# KiCad board ddr5-testboard.kicad_pcb (continued)
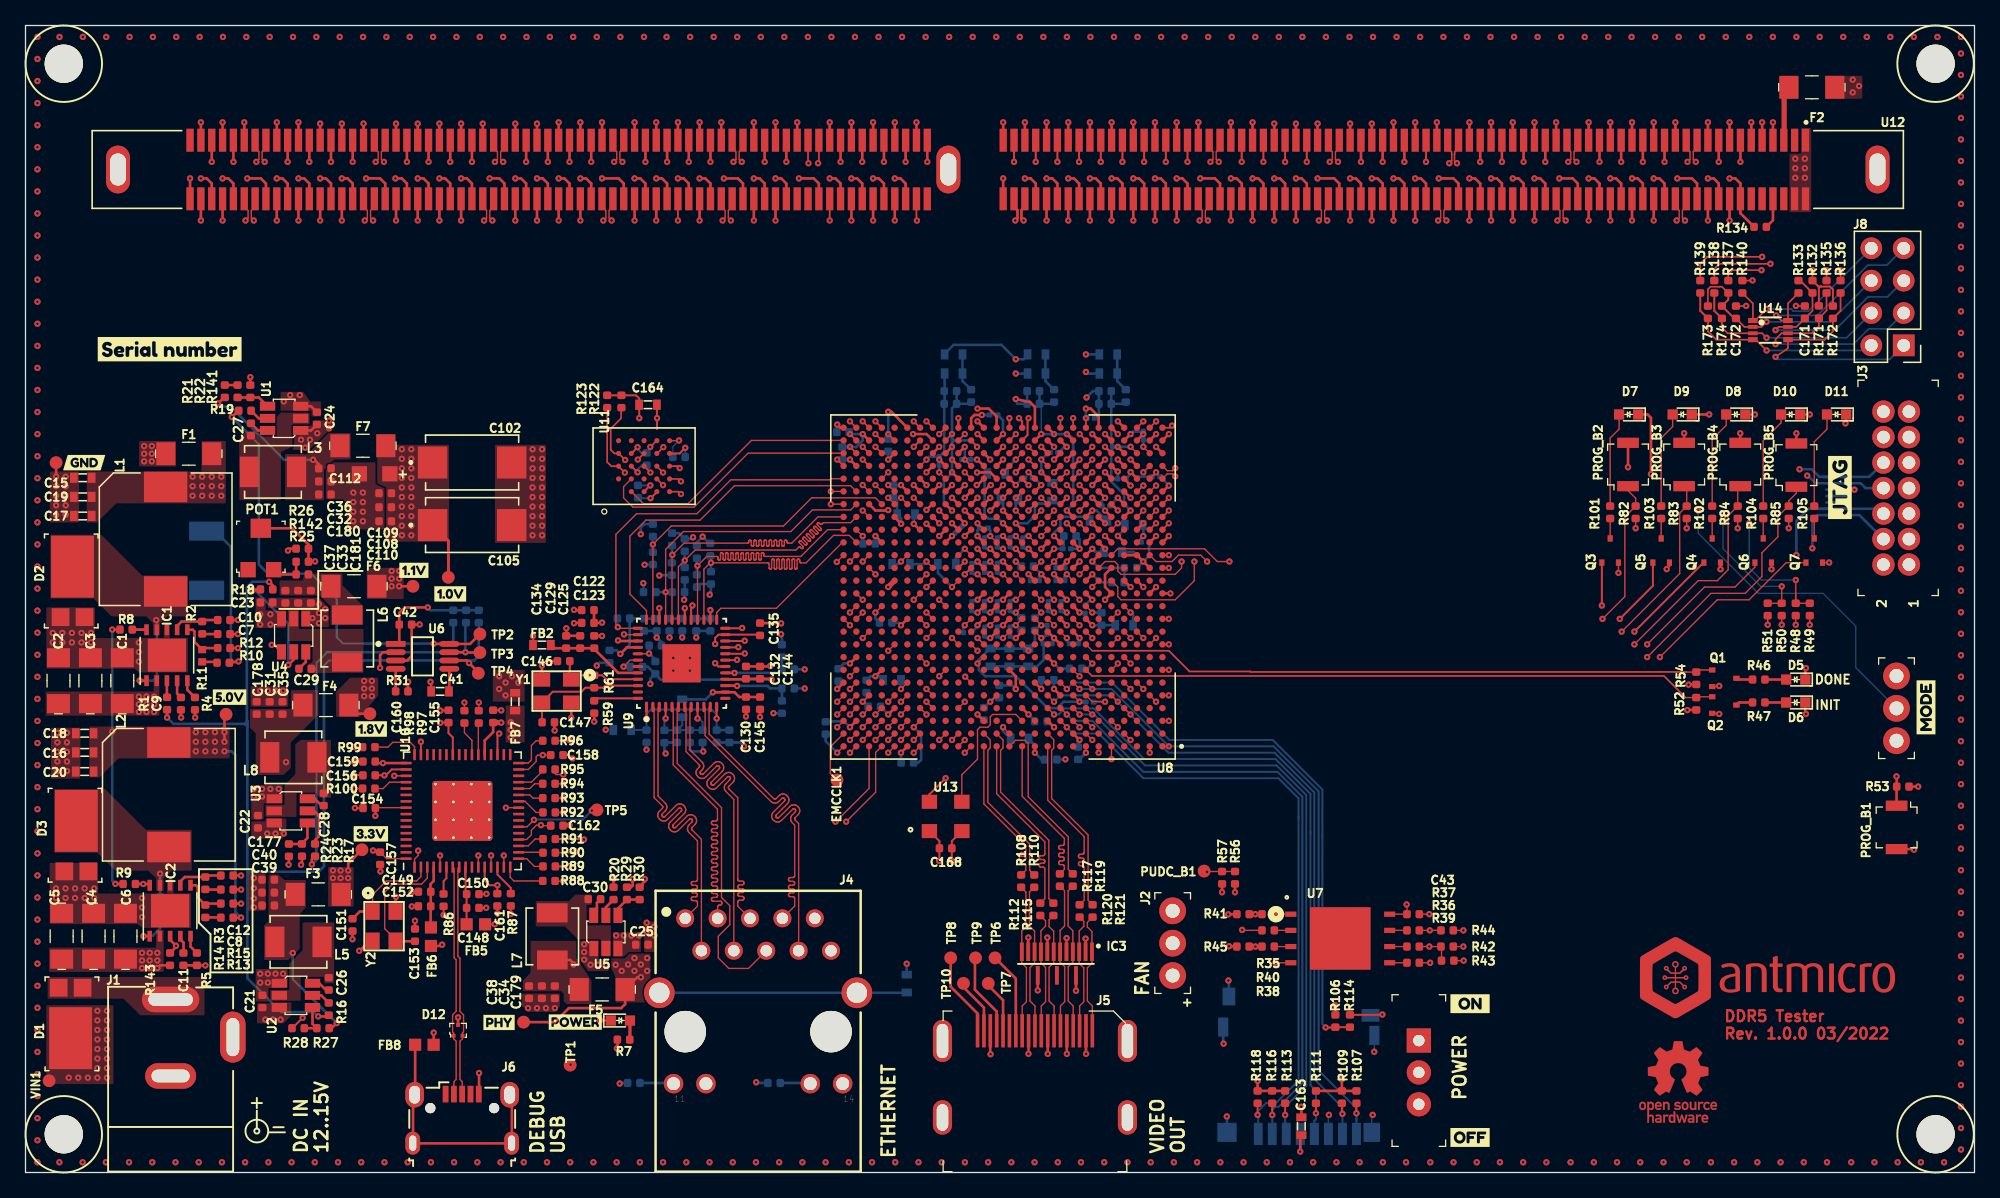
[diagram p0: board, top side]
## Routing (per net, layer and track width the routed paths; a pad name or vN(x,y) marks a point on that pad's centre or on a via; arc(x,y) is an arc through that point) (continued)
DQ11_A: length 72.7
  Top w0.127: U8.Y1 v3(89.64,52.94)
  Top w0.2: U12.165 v3(122.55,74.7)
  In5.Cu w0.127: v3(89.64,52.94) 90.14,52.94 91.39,54.19 113.69,54.19 122.55,63.05 122.55,64.47 122.55,64.5 122.56,64.52 122.58,64.55 122.6,64.57 122.62,64.58 122.65,64.59 122.68,64.59 122.82,64.59 122.84,64.6 122.87,64.61 122.89,64.62 122.91,64.64 122.93,64.67 122.94,64.69 122.94,64.72 122.94,64.75 122.93,64.78 122.91,64.8 122.89,64.82 122.87,64.84 122.84,64.85 122.82,64.85 122.28,64.85 122.26,64.85 122.23,64.86 122.21,64.88 122.19,64.9 122.17,64.92 122.16,64.95 122.16,64.98 122.16,65 122.17,65.03 122.19,65.06 122.21,65.08 122.23,65.09 122.26,65.1 122.28,65.1 122.82,65.1 122.84,65.11 122.87,65.12 122.89,65.13 122.91,65.15 122.93,65.17 122.94,65.2 122.94,65.23 122.94,65.26 122.93,65.29 122.91,65.31 122.89,65.33 122.87,65.34 122.84,65.35 122.82,65.36 122.28,65.36 122.26,65.36 122.23,65.37 122.21,65.38 122.19,65.4 122.17,65.43 122.16,65.46 122.16,65.48 122.16,65.51 122.17,65.54 122.19,65.56 122.21,65.58 122.23,65.6 122.26,65.61 122.28,65.61 122.82,65.61 122.84,65.61 122.87,65.62 122.89,65.64 122.91,65.66 122.93,65.68 122.94,65.71 122.94,65.74 122.94,65.77 122.93,65.79 122.91,65.82 122.89,65.84 122.87,65.85 122.84,65.86 122.82,65.86 122.28,65.86 122.26,65.87 122.23,65.88 122.21,65.89 122.19,65.91 122.17,65.94 122.16,65.96 122.16,65.99 122.16,66.02 122.17,66.05 122.19,66.07 122.21,66.09 122.23,66.11 122.26,66.12 122.28,66.12 122.82,66.12 122.84,66.12 122.87,66.13 122.89,66.15 122.91,66.17 122.93,66.19 122.94,66.22 122.94,66.25 122.94,66.27 122.93,66.3 122.91,66.33 122.89,66.35 122.87,66.36 122.84,66.37 122.82,66.37 122.28,66.37 122.26,66.38 122.23,66.39 122.21,66.4 122.19,66.42 122.17,66.44 122.16,66.47 122.16,66.5 122.16,66.53 122.17,66.56 122.19,66.58 122.21,66.6 122.23,66.61 122.26,66.62 122.28,66.63 122.82,66.63 122.84,66.63 122.87,66.64 122.89,66.65 122.91,66.67 122.93,66.7 122.94,66.73 122.94,66.75 122.94,66.78 122.93,66.81 122.91,66.83 122.89,66.85 122.87,66.87 122.84,66.88 122.82,66.88 122.28,66.88 122.26,66.88 122.23,66.89 122.21,66.91 122.19,66.93 122.17,66.95 122.16,66.98 122.16,67.01 122.16,67.04 122.17,67.06 122.19,67.09 122.21,67.11 122.23,67.12 122.26,67.13 122.28,67.14 122.82,67.14 122.84,67.14 122.87,67.15 122.89,67.16 122.91,67.18 122.93,67.21 122.94,67.23 122.94,67.26 122.94,67.29 122.93,67.32 122.91,67.34 122.89,67.36 122.87,67.38 122.84,67.39 122.82,67.39 122.28,67.39 122.26,67.39 122.23,67.4 122.21,67.42 122.19,67.44 122.17,67.46 122.16,67.49 122.16,67.52 122.16,67.54 122.17,67.57 122.19,67.6 122.21,67.62 122.23,67.63 122.26,67.64 122.28,67.64 122.82,67.64 122.84,67.65 122.87,67.66 122.89,67.67 122.91,67.69 122.93,67.71 122.94,67.74 122.94,67.77 122.94,67.8 122.93,67.83 122.91,67.85 122.89,67.87 122.87,67.88 122.84,67.89 122.82,67.9 122.28,67.9 122.26,67.9 122.23,67.91 122.21,67.92 122.19,67.94 122.17,67.97 122.16,68 122.16,68.02 122.16,68.05 122.17,68.08 122.19,68.1 122.21,68.12 122.23,68.14 122.26,68.15 122.28,68.15 122.82,68.15 122.84,68.15 122.87,68.16 122.89,68.18 122.91,68.2 122.93,68.22 122.94,68.25 122.94,68.28 122.94,68.31 122.93,68.33 122.91,68.36 122.89,68.38 122.87,68.39 122.84,68.4 122.82,68.41 122.28,68.41 122.26,68.41 122.23,68.42 122.21,68.43 122.19,68.45 122.17,68.48 122.16,68.5 122.16,68.53 122.16,68.56 122.17,68.59 122.19,68.61 122.21,68.63 122.23,68.65 122.26,68.66 122.28,68.66 122.82,68.66 122.84,68.66 122.87,68.67 122.89,68.69 122.91,68.71 122.93,68.73 122.94,68.76 122.94,68.79 122.94,68.81 122.93,68.84 122.91,68.87 122.89,68.89 122.87,68.9 122.84,68.91 122.82,68.91 122.28,68.91 122.26,68.92 122.23,68.93 122.21,68.94 122.19,68.96 122.17,68.98 122.16,69.01 122.16,69.04 122.16,69.07 122.17,69.1 122.19,69.12 122.21,69.14 122.23,69.15 122.26,69.16 122.28,69.17 122.82,69.17 122.84,69.17 122.87,69.18 122.89,69.19 122.91,69.21 122.93,69.24 122.94,69.27 122.94,69.29 122.94,69.32 122.93,69.35 122.91,69.37 122.89,69.39 122.87,69.41 122.84,69.42 122.82,69.42 122.28,69.42 122.26,69.42 122.23,69.43 122.21,69.45 122.19,69.47 122.17,69.49 122.16,69.52 122.16,69.55 122.16,69.58 122.17,69.6 122.19,69.63 122.21,69.65 122.23,69.66 122.26,69.67 122.28,69.67 122.82,69.67 122.84,69.68 122.87,69.69 122.89,69.7 122.91,69.72 122.93,69.75 122.94,69.77 122.94,69.8 122.94,69.83 122.93,69.86 122.91,69.88 122.89,69.9 122.87,69.92 122.84,69.93 122.82,69.93 122.28,69.93 122.26,69.93 122.23,69.94 122.21,69.96 122.19,69.98 122.17,70 122.16,70.03 122.16,70.06 122.16,70.08 122.17,70.11 122.19,70.14 122.21,70.16 122.23,70.17 122.26,70.18 122.28,70.18 122.82,70.18 122.84,70.19 122.87,70.2 122.89,70.21 122.91,70.23 122.93,70.25 122.94,70.28 122.94,70.31 122.94,70.34 122.93,70.37 122.91,70.39 122.89,70.41 122.87,70.42 122.84,70.43 122.82,70.44 122.28,70.44 122.26,70.44 122.23,70.45 122.21,70.46 122.19,70.48 122.17,70.51 122.16,70.54 122.16,70.56 122.16,70.59 122.17,70.62 122.19,70.64 122.21,70.66 122.23,70.68 122.26,70.69 122.28,70.69 122.82,70.69 122.84,70.69 122.87,70.7 122.89,70.72 122.91,70.74 122.93,70.76 122.94,70.79 122.94,70.82 122.94,70.85 122.93,70.87 122.91,70.9 122.89,70.92 122.87,70.93 122.84,70.94 122.82,70.94 122.28,70.94 122.26,70.95 122.23,70.96 122.21,70.97 122.19,70.99 122.17,71.02 122.16,71.04 122.16,71.07 122.16,71.1 122.17,71.13 122.19,71.15 122.21,71.17 122.23,71.19 122.26,71.2 122.28,71.2 122.82,71.2 122.84,71.2 122.87,71.21 122.89,71.23 122.91,71.25 122.93,71.27 122.94,71.3 122.94,71.33 122.94,71.35 122.93,71.38 122.91,71.41 122.89,71.43 122.87,71.44 122.84,71.45 122.82,71.45 122.28,71.45 122.26,71.46 122.23,71.47 122.21,71.48 122.19,71.5 122.17,71.52 122.16,71.55 122.16,71.58 122.16,71.61 122.17,71.64 122.19,71.66 122.21,71.68 122.23,71.69 122.26,71.7 122.28,71.71 122.82,71.71 122.84,71.71 122.87,71.72 122.89,71.73 122.91,71.75 122.93,71.78 122.94,71.81 122.94,71.83 122.94,71.86 122.93,71.89 122.91,71.91 122.89,71.93 122.87,71.95 122.84,71.96 122.82,71.96 122.28,71.96 122.26,71.96 122.23,71.97 122.21,71.99 122.19,72.01 122.17,72.03 122.16,72.06 122.16,72.09 122.16,72.12 122.17,72.14 122.19,72.17 122.21,72.19 122.23,72.2 122.26,72.21 122.28,72.22 122.82,72.22 122.84,72.22 122.87,72.23 122.89,72.24 122.91,72.26 122.93,72.29 122.94,72.31 122.94,72.34 122.94,72.37 122.93,72.4 122.91,72.42 122.89,72.44 122.87,72.46 122.84,72.47 122.82,72.47 122.28,72.47 122.26,72.47 122.23,72.48 122.21,72.5 122.19,72.52 122.17,72.54 122.16,72.57 122.16,72.6 122.16,72.62 122.17,72.65 122.19,72.68 122.21,72.7 122.23,72.71 122.26,72.72 122.28,72.72 122.42,72.72 122.45,72.73 122.48,72.74 122.5,72.75 122.52,72.77 122.54,72.79 122.55,72.82 122.55,72.85 v3(122.55,74.7)
DQ11_B: length 61.5
  Top w0.2: U12.258 v1(38.4,74.7) ; v1(75.68,53.94) 75.64,53.94 U8.AA15
  In7.Cu w0.127: v1(38.4,74.7) 38.4,74.2 38.4,74.17 38.39,74.14 38.37,74.12 38.35,74.1 38.33,74.09 38.3,74.08 38.27,74.07 38.16,74.07 38.13,74.07 38.1,74.06 38.08,74.05 38.06,74.03 38.04,74 38.03,73.97 38.03,73.95 38.03,73.92 38.04,73.89 38.06,73.87 38.08,73.85 38.1,73.83 38.13,73.82 38.16,73.82 38.64,73.82 38.67,73.82 38.7,73.81 38.72,73.79 38.74,73.77 38.76,73.75 38.77,73.72 38.77,73.69 38.77,73.66 38.76,73.64 38.74,73.61 38.72,73.59 38.7,73.58 38.67,73.57 38.64,73.56 38.16,73.56 38.13,73.56 38.1,73.55 38.08,73.54 38.06,73.52 38.04,73.49 38.03,73.47 38.03,73.44 38.03,73.41 38.04,73.38 38.06,73.36 38.08,73.34 38.1,73.32 38.13,73.31 38.16,73.31 38.64,73.31 38.67,73.31 38.7,73.3 38.72,73.28 38.74,73.26 38.76,73.24 38.77,73.21 38.77,73.18 38.77,73.16 38.76,73.13 38.74,73.1 38.72,73.08 38.7,73.07 38.67,73.06 38.64,73.06 38.16,73.06 38.13,73.05 38.1,73.04 38.08,73.03 38.06,73.01 38.04,72.99 38.03,72.96 38.03,72.93 38.03,72.9 38.04,72.87 38.06,72.85 38.08,72.83 38.1,72.82 38.13,72.81 38.16,72.8 38.64,72.8 38.67,72.8 38.7,72.79 38.72,72.78 38.74,72.76 38.76,72.73 38.77,72.7 38.77,72.68 38.77,72.65 38.76,72.62 38.74,72.6 38.72,72.58 38.7,72.56 38.67,72.55 38.64,72.55 38.16,72.55 38.13,72.55 38.1,72.54 38.08,72.52 38.06,72.5 38.04,72.48 38.03,72.45 38.03,72.42 38.03,72.39 38.04,72.37 38.06,72.34 38.08,72.32 38.1,72.31 38.13,72.3 38.16,72.3 38.64,72.3 38.67,72.29 38.7,72.28 38.72,72.27 38.74,72.25 38.76,72.22 38.77,72.2 38.77,72.17 38.77,72.14 38.76,72.11 38.74,72.09 38.72,72.07 38.7,72.05 38.67,72.04 38.64,72.04 38.16,72.04 38.13,72.04 38.1,72.03 38.08,72.01 38.06,71.99 38.04,71.97 38.03,71.94 38.03,71.91 38.03,71.89 38.04,71.86 38.06,71.83 38.08,71.81 38.1,71.8 38.13,71.79 38.16,71.79 38.64,71.79 38.67,71.78 38.7,71.77 38.72,71.76 38.74,71.74 38.76,71.72 38.77,71.69 38.77,71.66 38.77,71.63 38.76,71.6 38.74,71.58 38.72,71.56 38.7,71.55 38.67,71.54 38.64,71.53 38.16,71.53 38.13,71.53 38.1,71.52 38.08,71.51 38.06,71.49 38.04,71.46 38.03,71.43 38.03,71.41 38.03,71.38 38.04,71.35 38.06,71.33 38.08,71.31 38.1,71.29 38.13,71.28 38.16,71.28 38.27,71.28 38.3,71.28 38.33,71.27 38.35,71.25 38.37,71.23 38.39,71.21 38.4,71.18 38.4,71.15 38.4,69.93 38.64,69.69 65.89,69.69 75.65,59.93 75.65,53.97 v1(75.68,53.94)
DQ12_A: length 72.7
  Top w0.127: U8.Y2 v3(88.64,52.94)
  Top w0.2: U12.25 v3(119.15,79.3)
  In5.Cu w0.127: v3(88.64,52.94) 89.09,53.39 89.09,54.14 89.51,54.56 89.51,55.31 89.96,55.75 111.25,55.75 119.15,63.65 119.15,71.48 119.15,71.51 119.16,71.54 119.18,71.56 119.2,71.58 119.22,71.6 119.25,71.61 119.28,71.61 119.42,71.61 119.44,71.61 119.47,71.62 119.49,71.64 119.51,71.66 119.53,71.68 119.54,71.71 119.54,71.74 119.54,71.77 119.53,71.79 119.51,71.82 119.49,71.84 119.47,71.85 119.44,71.86 119.42,71.86 118.88,71.86 118.86,71.87 118.83,71.88 118.81,71.89 118.79,71.91 118.77,71.94 118.76,71.96 118.76,71.99 118.76,72.02 118.77,72.05 118.79,72.07 118.81,72.09 118.83,72.11 118.86,72.12 118.88,72.12 119.42,72.12 119.44,72.12 119.47,72.13 119.49,72.15 119.51,72.17 119.53,72.19 119.54,72.22 119.54,72.25 119.54,72.27 119.53,72.3 119.51,72.33 119.49,72.35 119.47,72.36 119.44,72.37 119.42,72.37 118.88,72.37 118.86,72.38 118.83,72.39 118.81,72.4 118.79,72.42 118.77,72.44 118.76,72.47 118.76,72.5 118.76,72.53 118.77,72.56 118.79,72.58 118.81,72.6 118.83,72.61 118.86,72.62 118.88,72.63 119.42,72.63 119.44,72.63 119.47,72.64 119.49,72.65 119.51,72.67 119.53,72.7 119.54,72.73 119.54,72.75 119.54,72.78 119.53,72.81 119.51,72.83 119.49,72.85 119.47,72.87 119.44,72.88 119.42,72.88 118.88,72.88 118.86,72.88 118.83,72.89 118.81,72.91 118.79,72.93 118.77,72.95 118.76,72.98 118.76,73.01 118.76,73.04 118.77,73.06 118.79,73.09 118.81,73.11 118.83,73.12 118.86,73.13 118.88,73.13 119.42,73.13 119.44,73.14 119.47,73.15 119.49,73.16 119.51,73.18 119.53,73.21 119.54,73.23 119.54,73.26 119.54,73.29 119.53,73.32 119.51,73.34 119.49,73.36 119.47,73.38 119.44,73.39 119.42,73.39 118.88,73.39 118.86,73.39 118.83,73.4 118.81,73.42 118.79,73.44 118.77,73.46 118.76,73.49 118.76,73.52 118.76,73.54 118.77,73.57 118.79,73.6 118.81,73.62 118.83,73.63 118.86,73.64 118.88,73.64 119.42,73.64 119.44,73.65 119.47,73.66 119.49,73.67 119.51,73.69 119.53,73.71 119.54,73.74 119.54,73.77 119.54,73.8 119.53,73.83 119.51,73.85 119.49,73.87 119.47,73.88 119.44,73.89 119.42,73.9 118.88,73.9 118.86,73.9 118.83,73.91 118.81,73.92 118.79,73.94 118.77,73.97 118.76,74 118.76,74.02 118.76,74.05 118.77,74.08 118.79,74.1 118.81,74.12 118.83,74.14 118.86,74.15 118.88,74.15 119.42,74.15 119.44,74.15 119.47,74.16 119.49,74.18 119.51,74.2 119.53,74.22 119.54,74.25 119.54,74.28 119.54,74.31 119.53,74.33 119.51,74.36 119.49,74.38 119.47,74.39 119.44,74.4 119.42,74.41 118.88,74.41 118.86,74.41 118.83,74.42 118.81,74.43 118.79,74.45 118.77,74.48 118.76,74.5 118.76,74.53 118.76,74.56 118.77,74.59 118.79,74.61 118.81,74.63 118.83,74.65 118.86,74.66 118.88,74.66 119.42,74.66 119.44,74.66 119.47,74.67 119.49,74.69 119.51,74.71 119.53,74.73 119.54,74.76 119.54,74.79 119.54,74.81 119.53,74.84 119.51,74.87 119.49,74.89 119.47,74.9 119.44,74.91 119.42,74.91 118.88,74.91 118.86,74.92 118.83,74.93 118.81,74.94 118.79,74.96 118.77,74.98 118.76,75.01 118.76,75.04 118.76,75.07 118.77,75.1 118.79,75.12 118.81,75.14 118.83,75.15 118.86,75.16 118.88,75.17 119.42,75.17 119.44,75.17 119.47,75.18 119.49,75.19 119.51,75.21 119.53,75.24 119.54,75.27 119.54,75.29 119.54,75.32 119.53,75.35 119.51,75.37 119.49,75.39 119.47,75.41 119.44,75.42 119.42,75.42 118.88,75.42 118.86,75.42 118.83,75.43 118.81,75.45 118.79,75.47 118.77,75.49 118.76,75.52 118.76,75.55 118.76,75.58 118.77,75.6 118.79,75.63 118.81,75.65 118.83,75.66 118.86,75.67 118.88,75.67 119.42,75.67 119.44,75.68 119.47,75.69 119.49,75.7 119.51,75.72 119.53,75.75 119.54,75.77 119.54,75.8 119.54,75.83 119.53,75.86 119.51,75.88 119.49,75.9 119.47,75.92 119.44,75.93 119.42,75.93 118.88,75.93 118.86,75.93 118.83,75.94 118.81,75.96 118.79,75.98 118.77,76 118.76,76.03 118.76,76.06 118.76,76.08 118.77,76.11 118.79,76.14 118.81,76.16 118.83,76.17 118.86,76.18 118.88,76.18 119.42,76.18 119.44,76.19 119.47,76.2 119.49,76.21 119.51,76.23 119.53,76.25 119.54,76.28 119.54,76.31 119.54,76.34 119.53,76.37 119.51,76.39 119.49,76.41 119.47,76.42 119.44,76.43 119.42,76.44 118.88,76.44 118.86,76.44 118.83,76.45 118.81,76.46 118.79,76.48 118.77,76.51 118.76,76.54 118.76,76.56 118.76,76.59 118.77,76.62 118.79,76.64 118.81,76.66 118.83,76.68 118.86,76.69 118.88,76.69 119.42,76.69 119.44,76.69 119.47,76.7 119.49,76.72 119.51,76.74 119.53,76.76 119.54,76.79 119.54,76.82 119.54,76.85 119.53,76.87 119.51,76.9 119.49,76.92 119.47,76.93 119.44,76.94 119.42,76.94 118.88,76.94 118.86,76.95 118.83,76.96 118.81,76.97 118.79,76.99 118.77,77.02 118.76,77.04 118.76,77.07 118.76,77.1 118.77,77.13 118.79,77.15 118.81,77.17 118.83,77.19 118.86,77.2 118.88,77.2 119.42,77.2 119.44,77.2 119.47,77.21 119.49,77.23 119.51,77.25 119.53,77.27 119.54,77.3 119.54,77.33 119.54,77.35 119.53,77.38 119.51,77.41 119.49,77.43 119.47,77.44 119.44,77.45 119.42,77.45 118.88,77.45 118.86,77.46 118.83,77.47 118.81,77.48 118.79,77.5 118.77,77.52 118.76,77.55 118.76,77.58 118.76,77.61 118.77,77.64 118.79,77.66 118.81,77.68 118.83,77.69 118.86,77.7 118.88,77.71 119.42,77.71 119.44,77.71 119.47,77.72 119.49,77.73 119.51,77.75 119.53,77.78 119.54,77.81 119.54,77.83 119.54,77.86 119.53,77.89 119.51,77.91 119.49,77.93 119.47,77.95 119.44,77.96 119.42,77.96 118.88,77.96 118.86,77.96 118.83,77.97 118.81,77.99 118.79,78.01 118.77,78.03 118.76,78.06 118.76,78.09 118.76,78.12 118.77,78.14 118.79,78.17 118.81,78.19 118.83,78.2 118.86,78.21 118.88,78.22 119.42,78.22 119.44,78.22 119.47,78.23 119.49,78.24 119.51,78.26 119.53,78.29 119.54,78.31 119.54,78.34 119.54,78.37 119.53,78.4 119.51,78.42 119.49,78.44 119.47,78.46 119.44,78.47 119.42,78.47 118.88,78.47 118.86,78.47 118.83,78.48 118.81,78.5 118.79,78.52 118.77,78.54 118.76,78.57 118.76,78.6 118.76,78.62 118.77,78.65 118.79,78.68 118.81,78.7 118.83,78.71 118.86,78.72 118.88,78.72 119.02,78.72 119.05,78.73 119.08,78.74 119.1,78.75 119.12,78.77 119.14,78.79 119.15,78.82 119.15,78.85 v3(119.15,79.3)
DQ12_B: length 61.5
  Top w0.2: U12.118 v1(35,79.3) ; v1(74.6,54.92) 75.64,54.94 U8.AB14
  In7.Cu w0.127: v1(74.6,54.92) 73.14,56.39 73.14,57.94 63.39,67.69 35.64,67.69 35,68.33 35,78.14 35,78.17 35.01,78.19 35.03,78.22 35.05,78.24 35.07,78.25 35.1,78.26 35.13,78.27 35.2,78.27 35.23,78.27 35.26,78.28 35.28,78.29 35.3,78.31 35.32,78.34 35.33,78.36 35.33,78.39 35.33,78.42 35.32,78.45 35.3,78.47 35.28,78.49 35.26,78.51 35.23,78.52 35.2,78.52 34.8,78.52 34.77,78.52 34.74,78.53 34.72,78.55 34.7,78.57 34.68,78.59 34.67,78.62 34.67,78.65 34.67,78.67 34.68,78.7 34.7,78.73 34.72,78.75 34.74,78.76 34.77,78.77 34.8,78.77 34.87,78.77 34.9,78.78 34.93,78.79 34.95,78.8 34.97,78.82 34.99,78.84 35,78.87 35,78.9 v1(35,79.3)
DQ13_A: length 72.7
  Top w0.127: U8.Y3 v3(87.64,52.94)
  Top w0.2: U12.27 v3(117.45,79.3)
  In5.Cu w0.127: v3(117.45,79.3) 117.45,78.95 117.45,78.92 117.44,78.89 117.42,78.87 117.4,78.85 117.38,78.84 117.35,78.83 117.32,78.82 117.18,78.82 117.16,78.82 117.13,78.81 117.11,78.8 117.09,78.78 117.07,78.75 117.06,78.72 117.06,78.7 117.06,78.67 117.07,78.64 117.09,78.62 117.11,78.6 117.13,78.58 117.16,78.57 117.18,78.57 117.72,78.57 117.74,78.57 117.77,78.56 117.79,78.54 117.81,78.52 117.83,78.5 117.84,78.47 117.84,78.44 117.84,78.41 117.83,78.39 117.81,78.36 117.79,78.34 117.77,78.33 117.74,78.32 117.72,78.31 117.18,78.31 117.16,78.31 117.13,78.3 117.11,78.29 117.09,78.27 117.07,78.24 117.06,78.22 117.06,78.19 117.06,78.16 117.07,78.13 117.09,78.11 117.11,78.09 117.13,78.07 117.16,78.06 117.18,78.06 117.72,78.06 117.74,78.06 117.77,78.05 117.79,78.03 117.81,78.01 117.83,77.99 117.84,77.96 117.84,77.93 117.84,77.91 117.83,77.88 117.81,77.85 117.79,77.83 117.77,77.82 117.74,77.81 117.72,77.81 117.18,77.81 117.16,77.8 117.13,77.79 117.11,77.78 117.09,77.76 117.07,77.74 117.06,77.71 117.06,77.68 117.06,77.65 117.07,77.62 117.09,77.6 117.11,77.58 117.13,77.57 117.16,77.56 117.18,77.55 117.72,77.55 117.74,77.55 117.77,77.54 117.79,77.53 117.81,77.51 117.83,77.48 117.84,77.45 117.84,77.43 117.84,77.4 117.83,77.37 117.81,77.35 117.79,77.33 117.77,77.31 117.74,77.3 117.72,77.3 117.18,77.3 117.16,77.3 117.13,77.29 117.11,77.27 117.09,77.25 117.07,77.23 117.06,77.2 117.06,77.17 117.06,77.14 117.07,77.12 117.09,77.09 117.11,77.07 117.13,77.06 117.16,77.05 117.18,77.05 117.72,77.05 117.74,77.04 117.77,77.03 117.79,77.02 117.81,77 117.83,76.97 117.84,76.95 117.84,76.92 117.84,76.89 117.83,76.86 117.81,76.84 117.79,76.82 117.77,76.8 117.74,76.79 117.72,76.79 117.18,76.79 117.16,76.79 117.13,76.78 117.11,76.76 117.09,76.74 117.07,76.72 117.06,76.69 117.06,76.66 117.06,76.64 117.07,76.61 117.09,76.58 117.11,76.56 117.13,76.55 117.16,76.54 117.18,76.54 117.72,76.54 117.74,76.53 117.77,76.52 117.79,76.51 117.81,76.49 117.83,76.47 117.84,76.44 117.84,76.41 117.84,76.38 117.83,76.35 117.81,76.33 117.79,76.31 117.77,76.3 117.74,76.29 117.72,76.28 117.18,76.28 117.16,76.28 117.13,76.27 117.11,76.26 117.09,76.24 117.07,76.21 117.06,76.18 117.06,76.16 117.06,76.13 117.07,76.1 117.09,76.08 117.11,76.06 117.13,76.04 117.16,76.03 117.18,76.03 117.72,76.03 117.74,76.03 117.77,76.02 117.79,76 117.81,75.98 117.83,75.96 117.84,75.93 117.84,75.9 117.84,75.87 117.83,75.85 117.81,75.82 117.79,75.8 117.77,75.79 117.74,75.78 117.72,75.78 117.18,75.78 117.16,75.77 117.13,75.76 117.11,75.75 117.09,75.73 117.07,75.7 117.06,75.68 117.06,75.65 117.06,75.62 117.07,75.59 117.09,75.57 117.11,75.55 117.13,75.53 117.16,75.52 117.18,75.52 117.72,75.52 117.74,75.52 117.77,75.51 117.79,75.49 117.81,75.47 117.83,75.45 117.84,75.42 117.84,75.39 117.84,75.37 117.83,75.34 117.81,75.31 117.79,75.29 117.77,75.28 117.74,75.27 117.72,75.27 117.18,75.27 117.16,75.26 117.13,75.25 117.11,75.24 117.09,75.22 117.07,75.2 117.06,75.17 117.06,75.14 117.06,75.11 117.07,75.08 117.09,75.06 117.11,75.04 117.13,75.03 117.16,75.02 117.18,75.01 117.72,75.01 117.74,75.01 117.77,75 117.79,74.99 117.81,74.97 117.83,74.94 117.84,74.91 117.84,74.89 117.84,74.86 117.83,74.83 117.81,74.81 117.79,74.79 117.77,74.77 117.74,74.76 117.72,74.76 117.18,74.76 117.16,74.76 117.13,74.75 117.11,74.73 117.09,74.71 117.07,74.69 117.06,74.66 117.06,74.63 117.06,74.6 117.07,74.58 117.09,74.55 117.11,74.53 117.13,74.52 117.16,74.51 117.18,74.5 117.72,74.5 117.74,74.5 117.77,74.49 117.79,74.48 117.81,74.46 117.83,74.43 117.84,74.41 117.84,74.38 117.84,74.35 117.83,74.32 117.81,74.3 117.79,74.28 117.77,74.26 117.74,74.25 117.72,74.25 117.18,74.25 117.16,74.25 117.13,74.24 117.11,74.22 117.09,74.2 117.07,74.18 117.06,74.15 117.06,74.12 117.06,74.1 117.07,74.07 117.09,74.04 117.11,74.02 117.13,74.01 117.16,74 117.18,74 117.72,74 117.74,73.99 117.77,73.98 117.79,73.97 117.81,73.95 117.83,73.93 117.84,73.9 117.84,73.87 117.84,73.84 117.83,73.81 117.81,73.79 117.79,73.77 117.77,73.76 117.74,73.75 117.72,73.74 117.18,73.74 117.16,73.74 117.13,73.73 117.11,73.72 117.09,73.7 117.07,73.67 117.06,73.64 117.06,73.62 117.06,73.59 117.07,73.56 117.09,73.54 117.11,73.52 117.13,73.5 117.16,73.49 117.18,73.49 117.72,73.49 117.74,73.49 117.77,73.48 117.79,73.46 117.81,73.44 117.83,73.42 117.84,73.39 117.84,73.36 117.84,73.33 117.83,73.31 117.81,73.28 117.79,73.26 117.77,73.25 117.74,73.24 117.72,73.23 117.18,73.23 117.16,73.23 117.13,73.22 117.11,73.21 117.09,73.19 117.07,73.16 117.06,73.14 117.06,73.11 117.06,73.08 117.07,73.05 117.09,73.03 117.11,73.01 117.13,72.99 117.16,72.98 117.18,72.98 117.72,72.98 117.74,72.98 117.77,72.97 117.79,72.95 117.81,72.93 117.83,72.91 117.84,72.88 117.84,72.85 117.84,72.83 117.83,72.8 117.81,72.77 117.79,72.75 117.77,72.74 117.74,72.73 117.72,72.73 117.18,72.73 117.16,72.72 117.13,72.71 117.11,72.7 117.09,72.68 117.07,72.66 117.06,72.63 117.06,72.6 117.06,72.57 117.07,72.54 117.09,72.52 117.11,72.5 117.13,72.49 117.16,72.48 117.18,72.47 117.72,72.47 117.74,72.47 117.77,72.46 117.79,72.45 117.81,72.43 117.83,72.4 117.84,72.37 117.84,72.35 117.84,72.32 117.83,72.29 117.81,72.27 117.79,72.25 117.77,72.23 117.74,72.22 117.72,72.22 117.18,72.22 117.16,72.22 117.13,72.21 117.11,72.19 117.09,72.17 117.07,72.15 117.06,72.12 117.06,72.09 117.06,72.06 117.07,72.04 117.09,72.01 117.11,71.99 117.13,71.98 117.16,71.97 117.18,71.97 117.72,71.97 117.74,71.96 117.77,71.95 117.79,71.94 117.81,71.92 117.83,71.89 117.84,71.87 117.84,71.84 117.84,71.81 117.83,71.78 117.81,71.76 117.79,71.74 117.77,71.72 117.74,71.71 117.72,71.71 117.18,71.71 117.16,71.71 117.13,71.7 117.11,71.68 117.09,71.66 117.07,71.64 117.06,71.61 117.06,71.58 117.06,71.56 117.07,71.53 117.09,71.5 117.11,71.48 117.13,71.47 117.16,71.46 117.18,71.46 117.72,71.46 117.74,71.45 117.77,71.44 117.79,71.43 117.81,71.41 117.83,71.39 117.84,71.36 117.84,71.33 117.84,71.3 117.83,71.27 117.81,71.25 117.79,71.23 117.77,71.22 117.74,71.21 117.72,71.2 117.58,71.2 117.55,71.2 117.52,71.19 117.5,71.18 117.48,71.16 117.46,71.13 117.45,71.1 117.45,71.08 117.45,64.95 109.19,56.69 89.72,56.69 88.14,55.11 88.14,53.44 v3(87.64,52.94)
DQ13_B: length 61.5
  Top w0.2: U12.120 v1(33.3,79.3) ; U8.AA17 v1(73.64,53.94)
  In7.Cu w0.127: v1(73.64,53.94) 72.64,54.94 72.64,55.44 72.14,55.94 72.14,57.44 62.89,66.69 33.89,66.69 33.3,67.28 v1(33.3,79.3)
DQ14_A: length 72.7
  Top w0.127: U8.AB2 v3(88.64,54.94)
  Top w0.2: U12.170 v3(118.3,74.7)
  In5.Cu w0.127: v3(118.3,74.7) 118.3,71.2 118.3,71.17 118.29,71.14 118.27,71.12 118.25,71.1 118.23,71.09 118.2,71.08 118.17,71.07 118.03,71.07 118,71.07 117.98,71.06 117.95,71.05 117.93,71.03 117.92,71 117.91,70.97 117.9,70.95 117.91,70.92 117.92,70.89 117.93,70.87 117.95,70.85 117.98,70.83 118,70.82 118.03,70.82 118.57,70.82 118.6,70.82 118.62,70.81 118.65,70.79 118.67,70.77 118.68,70.75 118.69,70.72 118.7,70.69 118.69,70.66 118.68,70.64 118.67,70.61 118.65,70.59 118.62,70.58 118.6,70.57 118.57,70.56 118.03,70.56 118,70.56 117.98,70.55 117.95,70.54 117.93,70.52 117.92,70.49 117.91,70.47 117.9,70.44 117.91,70.41 117.92,70.38 117.93,70.36 117.95,70.34 117.98,70.32 118,70.31 118.03,70.31 118.57,70.31 118.6,70.31 118.62,70.3 118.65,70.28 118.67,70.26 118.68,70.24 118.69,70.21 118.7,70.18 118.69,70.16 118.68,70.13 118.67,70.1 118.65,70.08 118.62,70.07 118.6,70.06 118.57,70.06 118.03,70.06 118,70.05 117.98,70.04 117.95,70.03 117.93,70.01 117.92,69.99 117.91,69.96 117.9,69.93 117.91,69.9 117.92,69.87 117.93,69.85 117.95,69.83 117.98,69.82 118,69.81 118.03,69.8 118.57,69.8 118.6,69.8 118.62,69.79 118.65,69.78 118.67,69.76 118.68,69.73 118.69,69.7 118.7,69.68 118.69,69.65 118.68,69.62 118.67,69.6 118.65,69.58 118.62,69.56 118.6,69.55 118.57,69.55 118.03,69.55 118,69.55 117.98,69.54 117.95,69.52 117.93,69.5 117.92,69.48 117.91,69.45 117.9,69.42 117.91,69.39 117.92,69.37 117.93,69.34 117.95,69.32 117.98,69.31 118,69.3 118.03,69.3 118.57,69.3 118.6,69.29 118.62,69.28 118.65,69.27 118.67,69.25 118.68,69.22 118.69,69.2 118.7,69.17 118.69,69.14 118.68,69.11 118.67,69.09 118.65,69.07 118.62,69.05 118.6,69.04 118.57,69.04 118.03,69.04 118,69.04 117.98,69.03 117.95,69.01 117.93,68.99 117.92,68.97 117.91,68.94 117.9,68.91 117.91,68.89 117.92,68.86 117.93,68.83 117.95,68.81 117.98,68.8 118,68.79 118.03,68.79 118.57,68.79 118.6,68.78 118.62,68.77 118.65,68.76 118.67,68.74 118.68,68.72 118.69,68.69 118.7,68.66 118.69,68.63 118.68,68.6 118.67,68.58 118.65,68.56 118.62,68.55 118.6,68.54 118.57,68.53 118.03,68.53 118,68.53 117.98,68.52 117.95,68.51 117.93,68.49 117.92,68.46 117.91,68.43 117.9,68.41 117.91,68.38 117.92,68.35 117.93,68.33 117.95,68.31 117.98,68.29 118,68.28 118.03,68.28 118.57,68.28 118.6,68.28 118.62,68.27 118.65,68.25 118.67,68.23 118.68,68.21 118.69,68.18 118.7,68.15 118.69,68.12 118.68,68.1 118.67,68.07 118.65,68.05 118.62,68.04 118.6,68.03 118.57,68.03 118.03,68.03 118,68.02 117.98,68.01 117.95,68 117.93,67.98 117.92,67.95 117.91,67.93 117.9,67.9 117.91,67.87 117.92,67.84 117.93,67.82 117.95,67.8 117.98,67.78 118,67.77 118.03,67.77 118.57,67.77 118.6,67.77 118.62,67.76 118.65,67.74 118.67,67.72 118.68,67.7 118.69,67.67 118.7,67.64 118.69,67.62 118.68,67.59 118.67,67.56 118.65,67.54 118.62,67.53 118.6,67.52 118.57,67.52 118.03,67.52 118,67.51 117.98,67.5 117.95,67.49 117.93,67.47 117.92,67.45 117.91,67.42 117.9,67.39 117.91,67.36 117.92,67.33 117.93,67.31 117.95,67.29 117.98,67.28 118,67.27 118.03,67.26 118.57,67.26 118.6,67.26 118.62,67.25 118.65,67.24 118.67,67.22 118.68,67.19 118.69,67.16 118.7,67.14 118.69,67.11 118.68,67.08 118.67,67.06 118.65,67.04 118.62,67.02 118.6,67.01 118.57,67.01 118.03,67.01 118,67.01 117.98,67 117.95,66.98 117.93,66.96 117.92,66.94 117.91,66.91 117.9,66.88 117.91,66.85 117.92,66.83 117.93,66.8 117.95,66.78 117.98,66.77 118,66.76 118.03,66.75 118.57,66.75 118.6,66.75 118.62,66.74 118.65,66.73 118.67,66.71 118.68,66.68 118.69,66.66 118.7,66.63 118.69,66.6 118.68,66.57 118.67,66.55 118.65,66.53 118.62,66.51 118.6,66.5 118.57,66.5 118.03,66.5 118,66.5 117.98,66.49 117.95,66.47 117.93,66.45 117.92,66.43 117.91,66.4 117.9,66.37 117.91,66.35 117.92,66.32 117.93,66.29 117.95,66.27 117.98,66.26 118,66.25 118.03,66.25 118.57,66.25 118.6,66.24 118.62,66.23 118.65,66.22 118.67,66.2 118.68,66.18 118.69,66.15 118.7,66.12 118.69,66.09 118.68,66.06 118.67,66.04 118.65,66.02 118.62,66.01 118.6,66 118.57,65.99 118.03,65.99 118,65.99 117.98,65.98 117.95,65.97 117.93,65.95 117.92,65.92 117.91,65.89 117.9,65.87 117.91,65.84 117.92,65.81 117.93,65.79 117.95,65.77 117.98,65.75 118,65.74 118.03,65.74 118.57,65.74 118.6,65.74 118.62,65.73 118.65,65.71 118.67,65.69 118.68,65.67 118.69,65.64 118.7,65.61 118.69,65.58 118.68,65.56 118.67,65.53 118.65,65.51 118.62,65.5 118.6,65.49 118.57,65.48 118.03,65.48 118,65.48 117.98,65.47 117.95,65.46 117.93,65.44 117.92,65.41 117.91,65.39 117.9,65.36 117.91,65.33 117.92,65.3 117.93,65.28 117.95,65.26 117.98,65.24 118,65.23 118.03,65.23 118.57,65.23 118.6,65.23 118.62,65.22 118.65,65.2 118.67,65.18 118.68,65.16 118.69,65.13 118.7,65.1 118.69,65.08 118.68,65.05 118.67,65.02 118.65,65 118.62,64.99 118.6,64.98 118.57,64.98 118.03,64.98 118,64.97 117.98,64.96 117.95,64.95 117.93,64.93 117.92,64.91 117.91,64.88 117.9,64.85 117.91,64.82 117.92,64.79 117.93,64.77 117.95,64.75 117.98,64.74 118,64.73 118.03,64.72 118.17,64.72 118.2,64.72 118.23,64.71 118.25,64.7 118.27,64.68 118.29,64.65 118.3,64.62 118.3,64.6 118.3,64.3 118.28,64.28 118.25,64.27 118.22,64.26 118.2,64.26 118.17,64.27 118.14,64.28 118.12,64.3 118.02,64.4 118,64.42 117.97,64.43 117.95,64.44 117.92,64.44 117.89,64.43 117.86,64.42 117.84,64.4 117.82,64.38 117.81,64.35 117.8,64.32 117.8,64.3 117.81,64.27 117.82,64.24 117.84,64.22 118.22,63.84 118.24,63.82 118.25,63.79 118.26,63.77 118.26,63.74 118.25,63.71 118.24,63.68 118.22,63.66 118.2,63.64 118.17,63.63 118.14,63.63 118.12,63.63 118.09,63.63 118.06,63.64 118.04,63.66 117.66,64.04 117.64,64.06 117.61,64.07 117.59,64.08 117.56,64.08 117.53,64.07 117.5,64.06 117.48,64.04 117.46,64.02 117.45,63.99 117.45,63.96 117.45,63.94 117.45,63.91 117.46,63.88 117.48,63.86 117.86,63.48 117.88,63.46 117.89,63.43 117.9,63.41 117.9,63.38 117.89,63.35 117.88,63.32 117.86,63.3 117.84,63.28 117.81,63.27 117.79,63.27 117.76,63.27 117.73,63.27 117.7,63.28 117.68,63.3 117.3,63.68 117.28,63.7 117.25,63.71 117.23,63.72 117.2,63.72 117.17,63.71 117.14,63.7 117.12,63.68 117.1,63.66 117.09,63.63 117.09,63.61 117.09,63.58 117.09,63.55 117.1,63.52 117.12,63.5 117.5,63.12 117.52,63.1 117.53,63.07 117.54,63.05 117.54,63.02 117.53,62.99 117.52,62.97 117.5,62.94 117.48,62.93 117.45,62.91 117.43,62.91 117.4,62.91 117.37,62.91 117.34,62.93 117.32,62.94 116.94,63.32 116.92,63.34 116.9,63.35 116.87,63.36 116.84,63.36 116.81,63.35 116.79,63.34 116.76,63.32 116.75,63.3 116.73,63.27 116.73,63.25 116.73,63.22 116.73,63.19 116.75,63.16 116.76,63.14 117.14,62.76 117.16,62.74 117.17,62.72 117.18,62.69 117.18,62.66 117.17,62.63 117.16,62.61 117.14,62.58 117.12,62.57 117.09,62.55 117.07,62.55 117.04,62.55 117.01,62.55 116.99,62.57 116.96,62.58 116.58,62.96 116.56,62.98 116.54,62.99 116.51,63 116.48,63 116.45,62.99 116.43,62.98 116.4,62.96 116.39,62.94 116.37,62.92 116.37,62.89 116.37,62.86 116.37,62.83 116.39,62.81 116.4,62.78 116.78,62.4 116.8,62.38 116.81,62.36 116.82,62.33 116.82,62.3 116.81,62.27 116.8,62.25 116.78,62.22 116.76,62.21 116.74,62.19 116.71,62.19 116.68,62.19 116.65,62.19 116.63,62.21 116.6,62.22 116.22,62.6 116.2,62.62 116.18,62.63 116.15,62.64 116.12,62.64 116.09,62.63 116.07,62.62 116.05,62.6 116.03,62.58 116.01,62.56 116.01,62.53 116.01,62.5 116.01,62.47 116.03,62.45 116.05,62.42 116.42,62.05 116.44,62.02 116.45,62 116.46,61.97 116.46,61.94 116.45,61.91 116.44,61.89 116.42,61.87 116.4,61.85 116.38,61.84 116.35,61.83 116.32,61.83 116.29,61.84 116.27,61.85 116.24,61.87 115.87,62.24 115.84,62.26 115.82,62.27 115.79,62.28 115.76,62.28 115.73,62.27 115.71,62.26 115.69,62.24 115.67,62.22 115.66,62.2 115.65,62.17 115.65,62.14 115.66,62.11 115.67,62.09 115.69,62.06 116.06,61.69 116.08,61.66 116.09,61.64 116.1,61.61 116.1,61.58 116.09,61.55 116.08,61.53 116.06,61.51 116.04,61.49 116.02,61.48 115.99,61.47 115.96,61.47 115.93,61.48 115.91,61.49 115.89,61.51 115.79,61.61 115.76,61.62 115.74,61.64 115.71,61.64 115.68,61.64 115.65,61.64 115.63,61.62 115.61,61.61 110.25,56.25 89.95,56.25 v3(88.64,54.94)